# Allegro board SG2042_EVB_V1_1.brd (continued)
## Routing (per net, layer and track width the routed paths; a pad name or vN(x,y) marks a point on that pad's centre or on a via; arc(x,y) is an arc through that point) (continued)
GPIO0: length 197.8
  TOP w0.102: U1.G24 v1(132.97,128.15)
  ART10 w0.102: v1(16.03,175.79) 15.85,175.62 15.85,140.72 8.72,133.59 5.58,133.59 J17.2
  BOTTOM w0.102: v1(16.03,175.79) 18.81,175.79 19.34,176.33 40.79,176.33 45.62,181.15 50.64,181.15 50.92,180.87 86.4,180.87 113.84,153.44 116.53,153.44 133.59,136.38 133.59,128.77 v1(132.97,128.15)
GPIO1: length 205.4
  TOP w0.102: U1.J26 v1(134.97,126.15)
  ART03 w0.102: v1(62.26,182.7) 61.06,181.51 44.29,181.51 43.73,180.95 15.67,180.95 v1(15.49,180.77)
  ART10 w0.102: v1(134.97,126.15) 134.59,126.53 134.59,140.95 121.05,154.49 107.97,154.49 80.49,181.97 62.99,181.97 v1(62.26,182.7) ; J17.4 5.51,136.07 8.72,136.07 15.44,142.79 15.44,180.72 v1(15.49,180.77)
GPIO2: length 189.6
  TOP w0.102: U1.F23 v1(131.97,129.15)
  ART10 w0.102: v1(14.86,174.17) 14.86,144.74 8.72,138.61 5.51,138.61 J17.6
  BOTTOM w0.102: v1(131.97,129.15) 132.35,129.53 132.35,136.75 116.28,152.83 113.58,152.83 86.15,180.26 53.94,180.26 53.48,179.81 45.14,179.81 41.05,175.72 19.59,175.72 18.04,174.17 v1(14.86,174.17)
GPIO3: length 199.9
  TOP w0.102: U1.H25 v1(133.97,127.15)
  ART03 w0.102: v1(61.39,182.7) 60.4,181.71 44.2,181.71 43.65,181.15 15.01,181.15 v1(14.63,180.77)
  ART10 w0.102: v1(133.97,127.15) 134.35,127.53 134.35,140.9 120.96,154.29 107.88,154.29 80.41,181.76 62.33,181.76 v1(61.39,182.7) ; v1(14.63,180.77) 14.63,175.56 14.27,175.21 14.27,146.05 9.37,141.15 5.51,141.15 J17.8
GPIO4: length 190.9
  TOP w0.102: v1(9.27,144.3) R593.1 5.51,143.69 J17.10 ; U1.F25 v1(133.97,129.15)
  ART10 w0.102: v1(14.22,176.76) 14.22,175.49 13.51,174.78 13.51,148.54 v1(9.27,144.3)
  BOTTOM w0.102: v1(133.97,129.15) 134.59,129.77 134.59,137.2 117.74,154.05 114.09,154.05 86.66,181.48 51.17,181.48 50.89,181.76 44.82,181.76 39.79,176.73 19.15,176.73 18.8,176.38 14.61,176.38 v1(14.22,176.76)
GPIO5: length 495
  TOP w0.102: U1.F24 v1(132.97,129.15) ; U2006.1 v1(283.42,174.43)
  ART03 w0.102: v1(46.96,207.7) 48.08,207.7 50.01,209.63 52.68,209.63 53.77,210.72 81.79,210.72 82.4,211.33 85.92,211.33 86.48,210.77 199,210.77 202.94,214.71 213.84,214.71 214.86,215.72 226.64,215.72 227.03,216.1 252.48,216.1 253.75,214.83 271.7,214.83 274.68,211.86 283.79,211.86 v1(283.85,211.81)
  ART10 w0.102: J17.12 5.51,146.23 9.35,146.23 13.11,149.99 13.11,175.44 v1(13.46,175.79) ; v1(283.85,211.81) 284.05,211.61 284.05,196.13 284.48,195.7 284.48,176.2 283.42,175.14 v1(283.42,174.43) ; v1(47.9,180.72) 47.9,193.39 46.79,194.51 46.79,207.52 v1(46.96,207.7)
  BOTTOM w0.102: v1(132.97,129.15) 133.35,129.53 133.35,136.33 116.44,153.24 113.75,153.24 86.32,180.67 47.96,180.67 v1(47.9,180.72) 47.85,180.67 45.42,180.67 40.88,176.12 19.42,176.12 18.71,175.41 13.84,175.41 v1(13.46,175.79)
GPIO5_H: length 18.1
  TOP w0.102: U2006.20 v1(291.58,174.43) 291.59,174.42 R2279.1
  BOTTOM w0.102: J14.8 299.36,184.1 297.56,184.1 292.3,178.84 292.3,176.59 291.58,175.87 v1(291.58,174.43)
GPIO6: length 497.5
  TOP w0.102: v1(47.9,179.43) 48.08,179.6 52.63,179.6 52.98,179.96 79.57,179.96 90.92,168.61 92,168.61 105.87,154.74 124.56,154.74 126.47,152.83 126.47,141.88 126.47,141.87 U1.A17 ; U2006.3 v1(286.69,173.13)
  ART03 w0.102: v1(13.16,180.16) 13.54,179.78 15.62,179.78 16.18,180.34 46.99,180.34 v1(47.9,179.43) ; v1(283.85,212.42) 283.49,212.06 274.76,212.06 271.79,215.04 253.83,215.04 252.56,216.31 226.94,216.31 226.56,215.93 214.77,215.93 213.76,214.91 202.85,214.91 198.92,210.97 86.56,210.97 86,211.53 82.32,211.53 81.71,210.92 53.69,210.92 52.6,209.83 49.92,209.83 48.2,208.1 v1(47.37,208.1)
  ART10 w0.102: v1(47.9,179.43) 48.29,179.81 48.29,193.29 46.99,194.59 46.99,207.18 47.37,207.56 v1(47.37,208.1) ; v1(13.16,180.16) 13.16,177.77 13.44,177.5 13.44,176.59 12.7,175.86 12.7,152.74 8.72,148.77 5.51,148.77 J17.14 ; v1(283.85,212.42) 284.25,212.01 284.25,196.22 284.68,195.78 284.68,175.82 286.69,173.81 v1(286.69,173.13)
GPIO6_H: length 17.1
  TOP w0.102: U2006.18 v1(291.58,173.13) 292.02,173.56 R594.1
  BOTTOM w0.102: v1(291.58,173.13) 291.96,173.51 291.96,175.96 297.56,181.56 299.36,181.56 J14.10
GPIO7: length 191.7
  TOP w0.102: U1.H26 v1(134.97,127.15)
  ART03 w0.102: v1(12.55,180.77) 14.05,180.77 14.43,180.39 15.65,180.39 16.01,180.75 43.81,180.75 44.37,181.31 61.72,181.31 v1(63.12,182.7)
  ART10 w0.102: v1(63.12,182.7) 63.65,182.17 80.58,182.17 108.05,154.7 121.13,154.7 135.35,140.47 135.35,127.53 v1(134.97,127.15) ; J17.16 5.51,151.31 8.72,151.31 12.29,154.88 12.29,176.3 12.62,176.63 12.62,180.7 v1(12.55,180.77)
GPIO8: length 178.8
  TOP w0.102: v1(46.18,179.43) 46.76,180.01 52.42,180.01 52.77,180.37 79.74,180.37 91.09,169.01 92.17,169.01 106.04,155.14 124.73,155.14 126.87,153 126.87,142.05 127.47,141.45 U1.A18 ; v1(9.27,154.46) R597.1 5.51,153.85 J17.18
  ART03 w0.102: v1(11.81,179.02) 15.43,179.02 16.34,179.93 45.67,179.93 v1(46.18,179.43)
  ART10 w0.102: v1(9.27,154.46) 9.42,154.46 11.81,156.84 v1(11.81,179.02)
GPIO9: length 160.7
  TOP w0.102: v1(9.27,157) R598.1 5.51,156.39 J17.20 ; U1.D19 v1(127.97,131.15)
  ART10 w0.102: v1(11.33,172.62) 11.05,172.34 11.05,158.65 9.4,157 v1(9.27,157)
  BOTTOM w0.102: v1(11.33,172.62) 19.47,172.62 20.74,173.89 53.93,173.89 54.41,173.41 89.85,173.41 127.97,135.28 v1(127.97,131.15)
GPIO10: length 180.2
  TOP w0.102: v1(9.27,159.54) R599.1 5.51,158.93 J17.22 ; U1.F27 v1(135.97,129.15)
  ART10 w0.102: v1(11.33,176.76) 11.33,174.14 10.64,173.46 10.64,160.91 v1(9.27,159.54)
  BOTTOM w0.102: v1(135.97,129.15) 136.59,129.77 136.59,138.07 119.8,154.86 114.43,154.86 86.99,182.3 51.51,182.3 51.23,182.58 44.49,182.58 39.46,177.55 12.12,177.55 v1(11.33,176.76)
GPIO11: length 197.9
  TOP w0.102: U1.F26 v1(134.97,129.15) ; J17.1 R600.1 v1(9.27,132.87)
  ART10 w0.102: v1(9.27,132.87) 16.05,139.65 16.05,174.8 16.89,175.64 v1(16.89,176.76)
  BOTTOM w0.102: v1(134.97,129.15) 135.35,129.53 135.35,136.72 117.82,154.25 114.17,154.25 86.74,181.69 51.26,181.69 50.98,181.97 44.74,181.97 39.71,176.94 17.07,176.94 v1(16.89,176.76)
GPIO12: length 197.4
  TOP w0.102: J17.3 R2276.1 v1(9.27,135.41) ; U1.G26 v1(134.97,128.15)
  ART10 w0.102: v1(9.27,135.41) 15.65,141.78 15.65,176.38 v1(16.03,176.76)
  BOTTOM w0.102: v1(16.03,176.76) 16.41,177.14 39.63,177.14 44.65,182.17 51.06,182.17 51.34,181.89 86.83,181.89 114.26,154.46 117.91,154.46 135.59,136.77 135.59,128.77 v1(134.97,128.15)
GPIO13: length 191.5
  TOP w0.102: v1(47.04,179.43) 47.42,179.81 52.5,179.81 52.86,180.16 79.65,180.16 91.01,168.81 92.09,168.81 105.96,154.94 124.64,154.94 126.67,152.91 126.67,141.96 126.97,141.66 126.97,133.15 U1.B18 ; J17.5 R2280.1 v1(9.27,137.95)
  ART03 w0.102: v1(47.04,179.43) 46.33,180.14 16.26,180.14 15.52,179.4 v1(15.04,179.4)
  ART10 w0.102: v1(15.04,179.4) 15.24,179.2 15.24,143.92 v1(9.27,137.95)
GPIO14: length 185.5
  TOP w0.102: U1.E24 v1(132.97,130.15) ; J17.7 R2281.1 v1(9.27,140.49)
  ART10 w0.102: v1(9.27,140.49) 14.48,145.69 14.48,174.65 v1(14.86,175.03)
  BOTTOM w0.102: v1(14.86,175.03) 18.62,175.03 19.51,175.92 40.96,175.92 45.05,180.01 53.4,180.01 53.86,180.47 86.24,180.47 113.67,153.03 116.36,153.03 132.59,136.8 132.59,130.53 v1(132.97,130.15)
GPIO15: length 183.2
  TOP w0.102: J17.9 R2282.1 v1(9.27,141.81) ; U1.E22 v1(130.97,130.15)
  ART10 w0.102: v1(13.89,174.17) 13.89,146.25 9.45,141.81 v1(9.27,141.81)
  BOTTOM w0.102: v1(13.89,174.17) 14.27,173.79 17.95,173.79 19.68,175.51 42.48,175.51 45.98,179.02 53.62,179.02 54.46,179.86 85.98,179.86 113.41,152.43 116.11,152.43 131.35,137.18 131.35,130.53 v1(130.97,130.15)
GPIO16: length 194.7
  TOP w0.102: U1.J27 v1(135.97,126.15)
  ART03 w0.102: v1(63.98,182.7) 62.38,181.1 44.46,181.1 43.9,180.54 16.09,180.54 15.71,180.16 v1(14.02,180.16)
  ART10 w0.102: v1(14.02,180.16) 14.02,177.98 13.84,177.8 13.84,175.41 13.31,174.88 13.31,149.54 8.72,144.96 J17.11 ; v1(63.98,182.7) 64.31,182.37 80.66,182.37 108.13,154.9 121.21,154.9 135.59,140.52 135.59,126.53 v1(135.97,126.15)
GPIO17: length 183
  TOP w0.089: 127.81,133.91 127.87,133.85 127.87,132.25 U1.C19
  TOP w0.102: v1(45.31,179.43) 46.1,180.21 52.3,180.21 52.65,180.57 79.82,180.57 91.17,169.21 92.26,169.21 106.13,155.35 124.81,155.35 127.08,153.08 127.08,142.13 127.81,141.4 127.81,133.91
  ART03 w0.102: v1(13.64,178.64) 13.82,178.82 15.51,178.82 16.43,179.73 45.01,179.73 v1(45.31,179.43)
  ART10 w0.102: v1(13.64,178.64) 13.64,176.51 12.9,175.77 12.9,151.68 8.72,147.5 J17.13
GPIO18: length 179.9
  TOP w0.102: U1.E25 v1(133.97,130.15)
  ART10 w0.102: v1(13.06,176.76) 12.5,176.2 12.5,153.81 8.72,150.04 J17.15
  BOTTOM w0.102: v1(133.97,130.15) 134.35,130.53 134.35,136.19 116.7,153.85 114,153.85 86.57,181.28 51.09,181.28 50.81,181.56 44.91,181.56 39.88,176.53 19.24,176.53 18.88,176.17 13.64,176.17 v1(13.06,176.76)
GPIO19: length 180.1
  TOP w0.102: U1.E27 v1(135.97,130.15)
  ART10 w0.102: J17.17 8.72,152.58 12.09,155.94 12.09,176.66 v1(12.19,176.76)
  BOTTOM w0.102: v1(135.97,130.15) 136.35,130.53 136.35,136.3 117.99,154.66 114.34,154.66 86.91,182.09 51.43,182.09 51.15,182.37 44.57,182.37 39.54,177.34 12.78,177.34 v1(12.19,176.76)
GPIO20: length 153.6
  TOP w0.102: U1.E16 v1(124.97,130.15)
  ART10 w0.102: v1(11.43,169.44) 11.43,157.82 8.72,155.12 J17.19
  BOTTOM w0.102: v1(11.43,169.44) 30.19,169.44 32.52,171.78 89.17,171.78 125.35,135.6 125.35,130.53 v1(124.97,130.15)
GPIO21: length 167.3
  TOP w0.102: U1.F21 v1(129.97,129.15)
  ART10 w0.102: v1(11.33,173.58) 11.33,173.56 10.85,173.08 10.85,159.78 8.72,157.66 J17.21
  BOTTOM w0.102: v1(11.33,173.58) 18.03,173.58 19.76,175.31 42.56,175.31 45.38,178.13 55.17,178.13 56.49,179.45 85.81,179.45 113.25,152.02 115.94,152.02 130.6,137.36 130.6,131.74 130.35,131.49 130.35,129.53 v1(129.97,129.15)
GPIO22: length 459.5
  TOP w0.102: U1.F19 v1(127.97,129.15)
  ART03 w0.102: v1(50.09,208.51) 50.32,208.74 82.11,208.74 83.08,209.7 85.24,209.7 85.8,209.14 199.67,209.14 202.98,212.45 226.53,212.45 227.62,213.54 252.74,213.54 253.07,213.21 271.03,213.21 274.36,209.88 285.29,209.88 285.55,210.13 287.96,210.13 v1(288.14,209.96)
  ART10 w0.102: v1(288.14,209.96) 288.42,209.68 288.42,205.22 295.12,198.52 295.12,171.68 292.43,168.99 292.43,143.91 293.8,142.54 293.8,137.24 296.85,134.19 J13.4 ; v1(50.09,208.51) 49.91,208.33 49.91,189.36 49.5,188.95 49.5,179.86 v1(53.72,175.64)
  BOTTOM w0.102: v1(53.72,175.64) 54.38,176.3 63.96,176.3 64.26,176.61 87.22,176.61 128.59,135.24 128.59,129.77 v1(127.97,129.15)
GPIO23: length 451.9
  TOP w0.102: U1.J23 v1(131.97,126.15)
  ART03 w0.102: v1(58.7,209.32) 59.08,209.7 82.04,209.7 82.21,209.7 82.82,210.31 85.5,210.31 86.05,209.75 199.42,209.75 202.72,213.06 226.28,213.06 227.37,214.15 252.99,214.15 253.32,213.82 271.28,213.82 274.61,210.49 285.04,210.49 285.29,210.74 287.96,210.74 v1(288.14,210.92)
  ART10 w0.102: v1(131.97,126.15) 132.59,126.77 132.59,139.49 118.7,153.38 107.5,153.38 80.03,180.85 61.12,180.85 59.39,182.59 59.39,186.68 53.57,192.49 53.57,193.51 55.22,195.16 55.22,199.41 54.51,200.12 54.51,205.13 v1(58.7,209.32) ; J13.6 297.15,136.73 294.64,139.24 294.64,141.99 292.63,143.99 292.63,168.9 295.33,171.59 295.33,198.6 288.62,205.31 288.62,210.44 v1(288.14,210.92)
GPIO24: length 450.1
  TOP w0.102: U1.H24 v1(132.97,127.15)
  ART03 w0.102: v1(289.41,210.92) 289.03,210.54 285.38,210.54 285.12,210.29 274.53,210.29 271.2,213.61 253.24,213.61 252.91,213.94 227.46,213.94 226.36,212.85 202.81,212.85 199.51,209.55 85.97,209.55 85.41,210.11 82.91,210.11 82.12,209.32 v1(59.31,209.32)
  ART10 w0.102: v1(132.97,127.15) 133.35,127.53 133.35,131.6 133.61,131.85 133.61,141.07 120.79,153.88 107.71,153.88 80.24,181.36 61.34,181.36 60.15,182.54 60.15,186.21 53.77,192.57 53.77,193.43 55.42,195.08 55.42,199.49 54.71,200.2 54.71,204.72 v1(59.31,209.32) ; J13.8 292.84,144.53 292.84,168.82 295.53,171.51 295.53,198.69 288.82,205.39 288.82,210.34 v1(289.41,210.92)
GPIO25: length 446.8
  TOP w0.102: U1.H18 v1(126.97,127.15)
  ART03 w0.102: v1(54.18,209.32) 54.56,208.94 82.03,208.94 82.99,209.91 85.33,209.91 85.89,209.35 199.59,209.35 202.89,212.65 226.45,212.65 227.54,213.74 252.83,213.74 253.16,213.41 271.11,213.41 274.44,210.08 285.21,210.08 285.46,210.34 289.03,210.34 v1(289.41,209.96)
  ART10 w0.102: v1(289.41,209.96) 289.03,209.58 289.03,205.48 295.73,198.77 295.73,171.42 293.04,168.73 293.04,146.86 J13.10 ; v1(54.18,209.32) 52.48,207.62 52.48,195.03 51.74,194.29 51.74,189.68 55.63,185.79 55.63,182.1 57.38,180.35 57.6,180.35 59.94,178 78.85,178 107.4,149.45 117.56,149.45 127.83,139.18 127.83,132.93 127.35,132.45 127.35,127.53 v1(126.97,127.15)
GPIO26: length 172.4
  TOP w0.102: U2006.4 v1(283.42,172.48) ; U1.E33 v1(142.97,130.15)
  ART03 w0.102: v1(271.09,177.9) 271.81,177.19 273.66,177.19 278.82,172.03 282.98,172.03 v1(283.42,172.48)
  BOTTOM w0.102: v1(271.09,177.9) 270.71,177.52 268.2,177.52 267.83,177.89 262.47,177.89 261.94,177.37 250.64,177.37 249.49,178.51 242.87,178.51 241.35,180.04 219.14,180.04 217.99,178.89 186.33,178.89 174.39,166.95 171.57,166.95 142.59,137.97 142.59,130.53 v1(142.97,130.15)
GPIO26_H: length 15.8
  TOP w0.102: U2006.17 v1(292.17,172.48) 292.39,172.69 R595.1
  BOTTOM w0.102: v1(292.17,172.48) 292.82,173.13 294.41,173.13 295.15,173.86 295.15,176.61 297.56,179.02 299.36,179.02 J14.12
GPIO27: length 178.5
  TOP w0.089: U1.B34 143.08,133.04 143.08,133.85 143.14,133.91
  TOP w0.102: 143.14,133.91 143.14,141 166.02,163.87 166.02,168.68 169.65,172.32 181.9,172.32 191.37,181.79 199.62,181.79 200.76,182.93 v1(201.37,182.93) ; U2006.5 v1(285.78,171.83)
  ART03 w0.102: v1(285.78,171.83) 278.73,171.83 273.57,176.98 271.15,176.98 v1(270.23,177.9)
  BOTTOM w0.102: v1(270.23,177.9) 269.63,178.5 262.21,178.5 261.69,177.98 250.89,177.98 247.21,181.66 218.46,181.66 217.32,180.52 203.78,180.52 v1(201.37,182.93)
GPIO27_H: length 14.5
  TOP w0.102: U2006.16 v1(291.58,171.83) 291.59,171.83 R2208.1
  BOTTOM w0.102: v1(291.58,171.83) 292.38,171.83 292.82,172.26 294.41,172.26 295.76,173.61 295.76,174.68 297.56,176.48 299.36,176.48 J14.14
GPIO28: length 177.9
  TOP w0.102: U1.J31 v1(140.97,126.15) ; U2006.6 v1(283.42,171.18)
  ART03 w0.102: v1(283.42,171.18) 282.99,171.6 278.64,171.6 273.48,176.76 270.51,176.76 v1(269.37,177.9)
  BOTTOM w0.102: v1(269.37,177.9) 268.97,178.3 262.3,178.3 261.77,177.77 250.81,177.77 249.1,179.48 242.78,179.48 241.61,180.64 218.88,180.64 217.74,179.5 186.08,179.5 174.14,167.56 171.32,167.56 141.2,137.44 141.2,129.51 141.35,129.36 141.35,126.53 v1(140.97,126.15)
GPIO28_H: length 11.9
  TOP w0.102: J14.16 299.36,173.94 297.43,173.94 294.67,171.18 U2006.15
GPIO29: length 178.6
  TOP w0.102: U2006.7 v1(285.78,170.53) ; U1.G32 v1(141.97,128.15)
  ART03 w0.102: v1(285.78,170.53) 274.9,170.53 268.5,176.93 v1(268.5,177.9)
  BOTTOM w0.102: v1(141.97,128.15) 141.59,128.53 141.59,129.48 141.44,129.63 141.44,137.39 171.41,167.36 174.23,167.36 186.16,179.3 217.82,179.3 218.97,180.44 241.53,180.44 242.7,179.27 249.02,179.27 250.72,177.57 261.86,177.57 262.38,178.1 268.31,178.1 v1(268.5,177.9)
GPIO29_H: length 11.1
  TOP w0.102: U2006.14 296.56,170.53 297.43,171.4 299.36,171.4 J14.18
GPIO30: length 177.2
  TOP w0.102: U2006.8 v1(283.42,169.88) ; U1.E34 v1(143.97,130.15)
  ART03 w0.102: v1(283.42,169.88) 275.27,169.88 267.94,177.2 267.94,178.31 v1(267.36,178.89)
  ART10 w0.102: v1(143.97,130.15) 144.35,130.53 144.35,140.61 163.99,160.25 173.74,160.25 194.16,180.67 198.43,180.67 201.96,184.2 v1(202.64,184.2)
  BOTTOM w0.102: v1(267.36,178.89) 267.28,178.81 251.24,178.81 247.98,182.07 218.29,182.07 217.72,181.49 216.62,181.49 216.05,180.92 205.92,180.92 v1(202.64,184.2)
GPIO30_H: length 11.2
  TOP w0.102: J14.20 299.36,168.86 297.43,168.86 296.42,169.88 U2006.13
GPIO31: length 172.7
  TOP w0.102: U2006.9 v1(285.78,169.23) ; U1.D34 v1(143.97,131.15)
  ART03 w0.102: v1(285.78,169.23) 275.63,169.23 v1(267.36,177.5)
  BOTTOM w0.102: v1(267.36,177.5) 267.17,177.69 262.55,177.69 262.03,177.16 250.55,177.16 249.41,178.31 242.72,178.31 241.58,177.16 218.75,177.16 217.64,178.28 186.59,178.28 174.65,166.34 171.83,166.34 143.97,138.49 v1(143.97,131.15)
GPIO31_H: length 12
  TOP w0.102: U2006.12 294.53,169.23 297.43,166.32 299.36,166.32 J14.22
I_+5V: length 238.4
  TOP w0.102: T54.1 v1(73.63,222.25) C3232.2 R2199.2 ; v1(257.25,186.03) 257.45,185.83 U2009.35
  ART03 w0.102: v1(73.63,222.25) 81.43,230.05 136.31,230.05 139.56,233.3 253.59,233.3 v1(254.56,232.33)
  ART10 w0.102: v1(254.56,232.33) 254.13,231.9 254.13,230.99 256.44,228.68 256.44,215.36 255.81,214.73 255.81,201.87 257.25,200.43 v1(257.25,186.03)
I_DDR01_VDDQ_1V2: length 110.1
  TOP w0.102: U2009.24 v1(250.25,186.35) ; T70.1 v1(230.38,94.21)
  ART03 w0.102: v1(240.13,186.77) 240.55,186.35 v1(250.25,186.35)
  ART10 w0.102: v1(240.13,186.77) 240.13,185.68 237.97,183.52 237.97,125.36 231.44,118.83 231.44,95.28 v1(230.38,94.21)
  BOTTOM w0.102: v1(230.38,94.21) C1571.2 R689.2
I_DDR01_VDDQ_1V2_DIMM: length 1.9
  TOP w0.102: T71.1 C1573.2 R693.2
I_DDR01_VPP_2V5: length 1.9
  TOP w0.102: R467.2 C1443.2 T69.1
I_DDR01_VTT_0V6: length 1.9
  TOP w0.102: T65.1 C1428.2 R452.2
I_DDR23_VDDQ_1V2: length 369.4
  TOP w0.102: T73.1 v1(45.03,93.88) ; U2009.25 v1(251.2,185.34)
  ART03 w0.102: v1(42.93,211.05) 44.94,211.05 47.45,213.56 80.61,213.56 81.22,214.17 87.1,214.17 87.66,213.61 104.75,213.61 106.04,214.91 112.62,214.91 113.91,213.61 172.54,213.61 178.2,219.28 197.38,219.28 198.24,218.42 201.07,218.42 201.92,219.28 212.31,219.28 213.5,220.47 247.12,220.47 v1(247.5,220.09)
  ART10 w0.102: v1(251.2,185.34) 251.2,198.39 247.5,202.09 v1(247.5,220.09) ; v1(42.93,211.05) 42.93,210.34 41.17,208.59 41.17,179.85 41.83,179.19 41.83,97.08 v1(45.03,93.88)
  BOTTOM w0.102: v1(45.03,93.88) C1575.2 R694.2
I_DDR23_VDDQ_1V2_DIMM: length 2.1
  TOP w0.102: T74.1 53.92,104.09 C1577.2 R695.2
I_DDR23_VPP_2V5: length 2.3
  TOP w0.102: R672.2 C1556.2 T68.1
I_DDR23_VTT_0V6: length 1.9
  TOP w0.102: T64.1 C1541.2 R661.2
I_DDR_VDD_0V8: length 377.7
  TOP w0.102: T61.1 v1(122.5,40.97) C1418.2 R441.2 ; v1(275.14,172.75) 274.76,173.13 259.77,173.13 249.67,183.22 249.67,186.53 249.99,186.85 U2009.23
  ART10 w0.102: v1(122.5,40.97) 122.5,41.33 126.03,44.86 126.75,44.86 129.59,47.7 132.41,47.7 134.95,50.24 140.43,50.24 140.74,50.55 141.05,50.55 141.41,50.19 145.59,50.19 149.25,46.53 149.55,46.53 153.24,42.85 153.85,42.85 156.72,39.98 156.72,39.23 164.46,31.5 164.46,30.47 176.44,18.48 206.99,18.48 208.64,16.84 272.73,16.84 292.48,36.58 292.48,113.97 288.01,118.44 288.01,139.93 286.03,141.91 286.03,149.14 285.5,149.67 285.5,155.3 284.45,156.34 284.45,162.34 275.14,171.65 v1(275.14,172.75)
I_VDD_12V: length 198.6
  TOP w0.102: T56.1 C3234.2 v1(114.43,217.75) R2200.2 ; U2009.36 257.95,185.82 v1(258.17,186.03)
  ART03 w0.102: v1(114.43,217.75) 114.43,218.12 115.89,219.58 116.97,219.58 126.42,229.03 136.73,229.03 139.42,231.72 252.58,231.72 253.54,230.76 255.02,230.76 v1(255.42,231.17)
  ART10 w0.102: v1(255.42,231.17) 256.84,229.74 256.84,215.19 256.22,214.56 256.22,202.04 258.17,200.09 v1(258.17,186.03)
I_VDD_EMMC_1V8: length 373.5
  TOP w0.102: U2009.16 249.51,190.35 248.86,189.7 248.86,182.89 259.43,172.32 273.27,172.32 274.1,171.48 275.59,171.48 v1(276,171.89) ; T40.1 v1(129.82,47.24)
  ART10 w0.102: v1(276,171.89) 284.86,163.03 284.86,156.51 287.2,154.17 287.2,149.05 287.55,148.7 287.55,140.96 288.42,140.1 288.42,118.61 292.89,114.14 292.89,36.41 272.9,16.43 208.47,16.43 206.82,18.07 176.27,18.07 164.05,30.3 164.05,31.33 156.31,39.07 156.31,39.81 153.68,42.44 153.07,42.44 149.38,46.13 149.08,46.13 145.43,49.78 136.97,49.78 136.34,49.16 134.97,49.16 133.05,47.24 v1(129.82,47.24)
  BOTTOM w0.102: v1(129.82,47.24) C528.2 R43.2
I_VDD_EMMC_3V3: length 370.1
  TOP w0.102: U2009.17 249.58,189.85 249.27,189.53 249.27,183.06 259.6,172.72 273.44,172.72 v1(274.27,171.89) ; R44.2 C530.2 v1(129.36,48.13) T41.1
  ART10 w0.102: v1(129.36,48.13) 131.6,48.13 134.11,50.65 139.93,50.65 140.41,51.13 145.23,51.13 149.42,46.94 149.72,46.94 153.41,43.25 154.02,43.25 157.12,40.15 157.12,39.4 164.86,31.67 164.86,30.63 176.61,18.88 207.16,18.88 208.81,17.24 272.57,17.24 292.07,36.75 292.07,113.8 287.6,118.27 287.6,139.76 285.62,141.74 285.62,148.97 285.09,149.51 285.09,155.13 284.05,156.17 284.05,162.11 v1(274.27,171.89)
I_VDD_PCIE_C_0V8: length 342.6
  TOP w0.102: R335.2 C1211.2 v1(150.22,42.77) T50.1 ; U2009.32 255.95,179.24 260.44,174.76 278.41,174.76 v1(278.69,174.48)
  ART10 w0.102: v1(278.69,174.48) 279.07,174.1 279.07,171.26 286.69,163.65 286.69,156.41 288.42,154.68 288.42,149.56 288.77,149.2 288.77,141.47 289.64,140.61 289.64,119.12 294.11,114.65 294.11,35.91 273.41,15.21 207.96,15.21 206.32,16.85 175.77,16.85 158.65,33.97 158.65,34.56 155.75,37.46 153.12,37.46 149.99,40.59 149.99,42.55 v1(150.22,42.77)
I_VDD_PCIE_D_0V8: length 361.6
  TOP w0.102: v1(277.83,173.61) 277.09,174.35 260.27,174.35 255.45,179.17 U2009.31 ; T49.1 v1(134.67,46.23) C1201.2 R326.2
  ART10 w0.102: v1(277.83,173.61) 277.83,171.93 286.28,163.48 286.28,156.24 288.01,154.51 288.01,149.39 288.37,149.03 288.37,141.3 289.23,140.44 289.23,118.95 293.7,114.48 293.7,36.08 273.24,15.62 208.13,15.62 206.49,17.26 175.94,17.26 163.24,29.96 163.24,30.81 160.37,33.68 159.71,33.68 159.05,34.34 159.05,34.73 155.92,37.86 153.89,37.86 151.84,39.91 151.84,42.52 149.04,45.31 147.68,45.31 144.02,48.97 137.31,48.97 136.68,48.34 135.3,48.34 134.9,47.94 134.9,46.46 v1(134.67,46.23)
I_VDD_PCIE_H_1V8: length 342.5
  TOP w0.102: T52.1 v1(150.9,34.01) ; U2009.33 256.45,179.32 260.61,175.16 279.84,175.16 v1(280.52,174.48)
  ART10 w0.102: v1(280.52,174.48) 281.18,173.82 281.18,170.88 288.77,163.29 288.77,156.05 289.64,155.19 289.64,150.06 290.4,149.3 290.4,143.06 290.98,142.48 290.98,141.58 291.77,140.79 291.77,118.71 295.33,115.15 295.33,35.4 273.91,13.99 207.46,13.99 205.81,15.63 174.64,15.63 156.97,33.3 156.97,34.51 155.25,36.24 154.27,36.24 152.5,34.47 151.36,34.47 v1(150.9,34.01)
  BOTTOM w0.102: R338.2 C1219.2 v1(150.9,34.01)
I_VDD_PLL_0V8: length 347
  TOP w0.102: v1(279.66,173.61) 279.2,173.16 277.66,173.16 276.87,173.94 260.1,173.94 254.95,179.09 U2009.30 ; T48.1 v1(149.58,44.22)
  ART10 w0.102: v1(279.66,173.61) 279.66,171.25 287.96,162.95 287.96,155.71 288.82,154.85 288.82,149.73 289.59,148.96 289.59,142.73 290.17,142.14 290.17,141.24 290.96,140.45 290.96,118.37 294.51,114.82 294.51,35.74 273.58,14.8 207.79,14.8 206.15,16.45 175.6,16.45 157.78,34.26 157.78,34.85 155.58,37.05 152.95,37.05 149.58,40.42 149.58,40.84 149.58,40.84 v1(149.58,44.22)
  BOTTOM w0.102: R315.2 C1178.2 v1(149.58,44.22)
I_VDD_RGMII_1V8: length 377.1
  TOP w0.102: v1(276.86,171.89) 276.05,171.07 273.94,171.07 273.1,171.91 259.26,171.91 248.45,182.72 248.45,189.87 249.43,190.85 U2009.15 ; T42.1 v1(132.72,43.69)
  ART10 w0.102: v1(132.72,43.69) 132.36,44.04 132.36,45.97 135.13,48.75 136.51,48.75 137.14,49.38 144.2,49.38 147.85,45.72 149.21,45.72 153.77,41.16 153.77,39.5 155,38.27 156.09,38.27 159.05,35.3 159.05,35.2 159.3,34.95 159.67,34.95 163.64,30.98 163.64,30.13 176.11,17.67 206.66,17.67 208.3,16.02 273.07,16.02 293.29,36.24 293.29,114.31 288.82,118.78 288.82,140.27 287.96,141.13 287.96,148.86 287.6,149.22 287.6,154.34 285.88,156.07 285.88,162.88 276.87,171.89 v1(276.86,171.89)
  BOTTOM w0.102: v1(132.72,43.69) C545.2 R60.2
I_VDDC: length 246.1
  TOP w0.102: U2009.18 v1(250.25,189.35) ; R1310.2 C3157.2 103.52,169.95 95.78,177.7 94.7,177.7 83.79,188.6 v1(83.79,208.1) T60.1
  ART03 w0.102: v1(83.79,208.1) 84.18,208.48 84.73,208.48 85.29,207.92 200.18,207.92 203.48,211.23 231.49,211.23 232.53,212.27 246.02,212.27 v1(246.56,211.73)
  ART10 w0.102: v1(250.25,189.35) 249.66,189.94 249.66,198.42 249.66,198.78 246.08,202.36 246.08,211.25 v1(246.56,211.73)
I_VDDIO18: length 330
  TOP w0.102: v1(281.39,175.34) 281.16,175.57 260.78,175.57 256.95,179.39 U2009.34 ; R348.2 C1230.2 v1(160.91,27.69) T55.1
  ART10 w0.102: v1(281.39,175.34) 282.91,173.81 285.06,173.81 290.19,168.67 290.19,156.08 290.8,155.47 290.8,143.23 292.18,141.86 292.18,118.88 295.73,115.32 295.73,35.23 274.08,13.58 207.29,13.58 205.64,15.23 173.37,15.23 v1(160.91,27.69)
I_VQPS18: length 358.1
  TOP w0.102: v1(280.52,172.75) 277.49,172.75 276.7,173.54 259.94,173.54 254.45,179.02 U2009.29 ; T45.1 v1(140.89,48.16)
  ART10 w0.102: v1(140.89,48.16) 142.95,48.16 145.9,45.21 146.76,45.21 149.17,42.8 149.17,41.01 149.17,40.25 152.78,36.64 155.42,36.64 157.38,34.68 157.38,33.47 174.81,16.04 205.98,16.04 207.62,14.4 273.75,14.4 294.92,35.57 294.92,114.98 291.36,118.54 291.36,140.62 290.58,141.41 290.58,142.31 289.99,142.9 289.99,149.13 289.23,149.89 289.23,155.02 288.37,155.88 288.37,163.12 280.52,170.96 v1(280.52,172.75)
  BOTTOM w0.102: v1(140.89,48.16) C1445.2 R476.2
IIC0_SCL: length 3.7
  TOP w0.102: U2003.1 v1(283.42,189.67) 283.32,189.76 R243.1
  BOTTOM w0.102: v1(283.42,189.67) 283.32,189.76 R243.1
IIC0_SCL_H: length 22.4
  TOP w0.102: U2003.20 v1(291.58,189.67) 291.59,189.66 R2277.1 ; R2256.1 v1(288.11,180.19)
  ART03 w0.102: v1(291.58,189.67) 292.37,190.45 J14.3
  ART10 w0.102: v1(291.58,189.67) 292.07,189.17 292.07,188.24 290.37,186.54 290.37,182.45 v1(288.11,180.19)